# Altium PCB GSM_v2.PcbDoc (part 2 of 2) (continued)
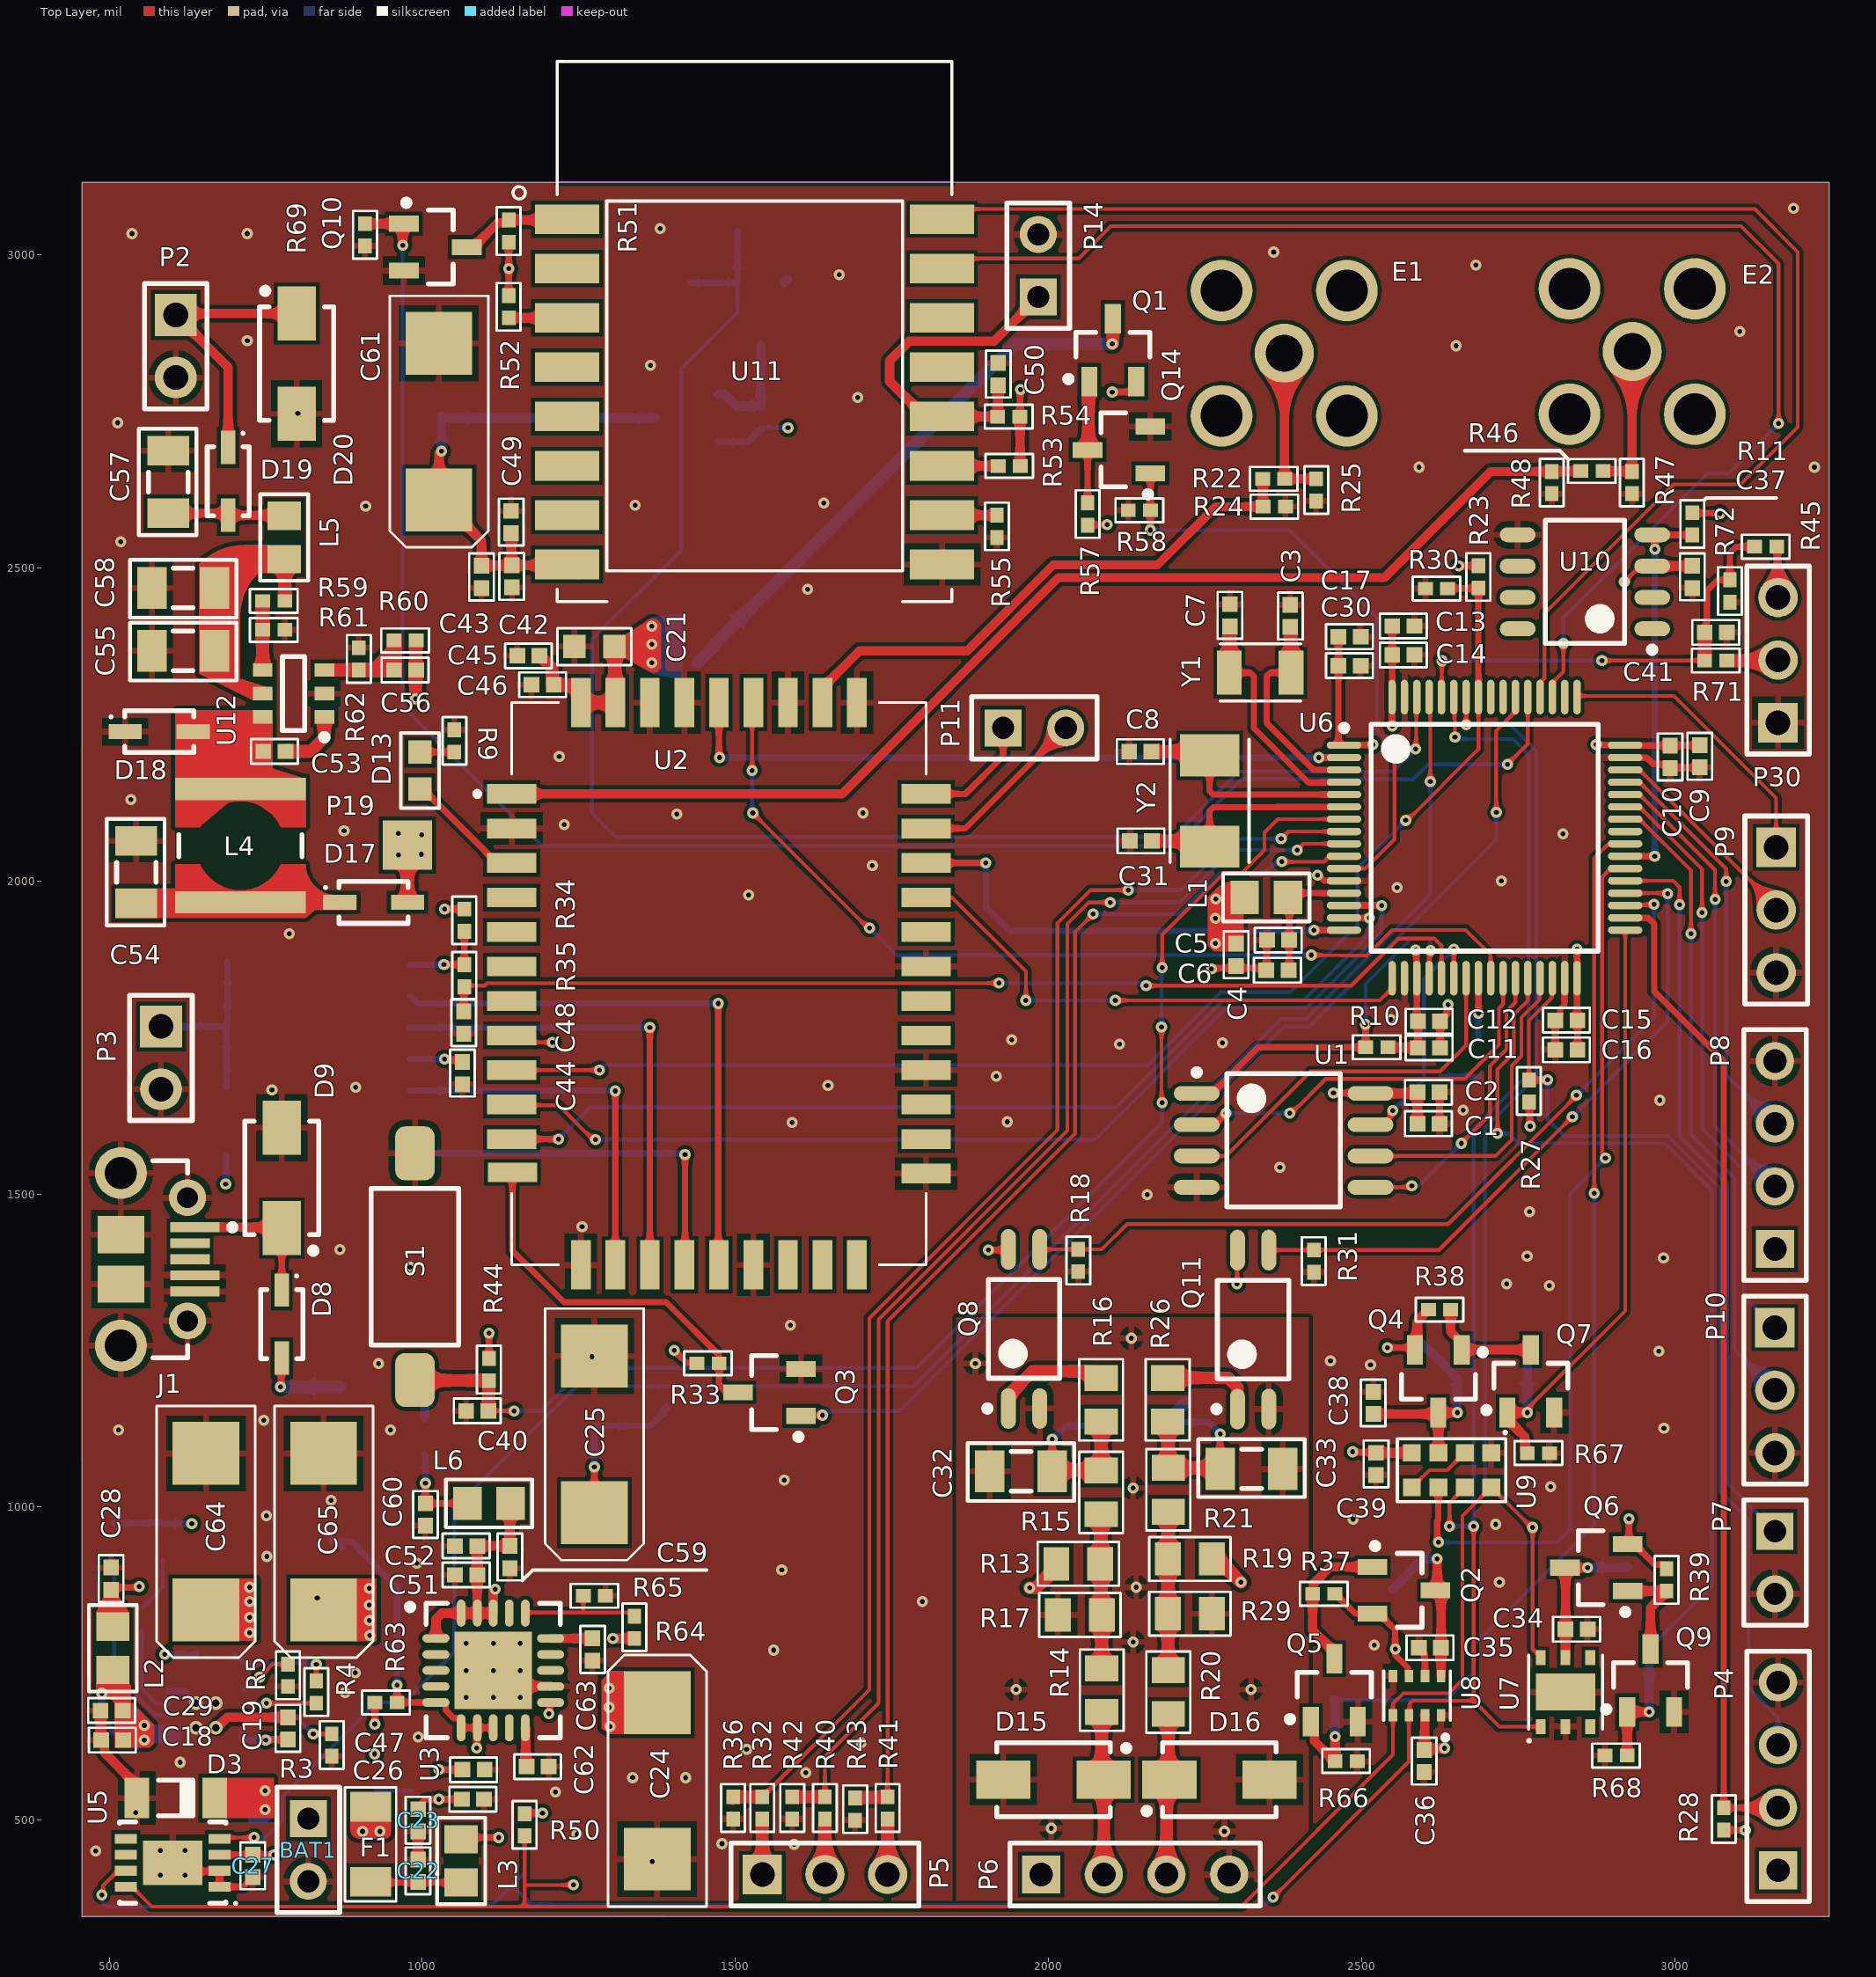
[diagram p0: Top Layer view]
## Nets (pads, with @x,y where several pads share a name; then routed paths per layer and width w, separated by ;. In a path a pad name is that pad's centre, name@x,y a point inside that pad or via, vN(x,y) a via of type N, cw(c..) or ccw(c..) an arc to the next point about the centre after c; other vN are vias at no path point) (continued)
  Bottom Layer w10: P1.1@980.31,1564.96 1417.32,1564.96 v1(1419.29,1562.99)
NetP1_7: P1.7 R34.1 R35.1 | length 139.8
  Top Layer w10: v1(1034.45,1866.14) R35.1@1066.93,1866.14 R34.1@1066.93,1919.29
  Bottom Layer w10: P1.7@980.31,1866.14 v1(1034.45,1866.14)
NetP5_1: P5.1 R32.2 | length 88.6
  Top Layer w20: P5.1@1542.72,413.39 R32.2@1542.72,501.97
NetP5_2: P5.2 R40.2 | length 88.6
  Top Layer w20: P5.2@1642.72,413.39 R40.2@1642.72,501.97
NetP5_3: P5.3 R41.2 | length 88.6
  Top Layer w20: P5.3@1742.72,413.39 R41.2@1742.72,501.97
NetP30_2: P30.2 R71.1 | length 81.1
  Top Layer w20: R71.1@3082.97,2351.45 P30.2@3164.08,2351.45
NetQ1_1: Q1.1 Q14.3 R57.1 | length 195.1
  Top Layer w10: R57.1@2062.01,2603.35 Q14.3@2062.01,2687.99
  Top Layer w20: Q14.3@2062.01,2687.99 2063.48,2689.47 2063.48,2795.77 Q1.1@2064.96,2797.24
NetQ2_1: Q2.1 Q5.3 R37.1 | length 241.5
  Top Layer w15: Q5.3@2456.57,758.37 Q5.3@2456.08,757.87 2456.08,768.7 2421.35,803.42 R37.1@2421.35,861.54 2422.34,861.54 2422.34,877.28 2449.58,904.53 Q2.1@2517.1,904.53
NetQ3_3: Q3.3 R33.1 U2.12 | length 604.6
  Top Layer w10: U2.12@1143.7,1534.45 1143.7,1409.45 1226.07,1327.08 1389.08,1327.08 1473.67,1242.49 R33.1@1473.67,1229.64 1473.67,1195.51 1486.11,1183.07 Q3.3@1501.97,1183.07
NetQ4_1: Q4.1 Q7.3 R38.1 | length 181.6
  Top Layer w15: R38.1@2641.73,1315.24 2641.73,1279.81 2659.45,1262.09 Q4.1@2659.45,1251.27 Q7.3@2769.69,1251.27
NetQ6_1: Q6.1 Q9.3 R39.1 | length 165.1
  Top Layer w15: Q6.1@2924.49,866.03 R39.1@2986.5,866.03 2986.5,865.05 2960.91,839.45 Q9.3@2960.91,773.51
NetQ8_1: Q8.1 R16.2 | length 168.5
  Top Layer w20: Q8.1@1935.63,1178.15 1974.41,1216.93 2072.99,1216.93 R16.2@2083.66,1206.26
NetQ11_1: Q11.1 R26.2 | length 137.8
  Top Layer w20: R26.2@2189.96,1206.26 2286.46,1206.26 2301.77,1190.95 Q11.1@2301.77,1171.26
NetQ12_1: Q12.1 Q13.3 R56.1 | length 172.1
  Bottom Layer w15: Q12.1@1472.44,2776.57 1483.27,2776.57 1501.97,2757.87 R56.1@1540.35,2757.87 Q13.3@1540.35,2854.33
NetR1_1: R1.1 U4.3 | length 183.2
  Bottom Layer w6: R1.1@507.87,802.17 507.87,734.25 574.8,667.32 U4.3@595.47,667.32
NetR2_1: R2.1 U4.4 | length 146.2
  Bottom Layer w6: R2.1@552.17,803.15 552.17,709.65 574.8,687.01 U4.4@595.47,687.01
NetR3_1: R3.1 U4.8 | length 154
  Top Layer w6: v1(825.79,637.8) R3.1@855.32,637.8
  Bottom Layer w6: U4.8@713.58,667.32 796.26,667.32 v1(825.79,637.8)
NetR4_1: R4.1 U4.7 | length 117.1
  Top Layer w6: v1(750.98,687.01) R4.1@830.71,687.01
  Bottom Layer w6: U4.7@713.58,687.01 v1(750.98,687.01)
NetR5_1: R5.1 U4.6 | length 102.2
  Top Layer w6: v1@738.41,728.35 v1(740.16,728.35) 760.83,749.02 R5.1@785.43,749.02 R5.1@793.26,756.84
  Bottom Layer w6: U4.6@713.58,706.69 735.24,728.35 v1(740.16,728.35)
NetR13_1: R13.1 R14.2 R15.1 R17.2 | length 247.5
  Top Layer w20: R15.1@2083.66,988.62 2082.95,987.91 2082.95,910.16 R13.1@2082.24,909.45 2083.44,908.25 2083.44,828.96 R17.2@2084.65,827.76 R14.2@2084.65,742.68
NetR19_1: R19.1 R20.2 R21.1 R29.2 | length 253.3
  Top Layer w20: R20.2@2190.94,739.72 2190.67,740 2190.67,829.45 R29.2@2190.39,829.72 R19.1@2190.39,917.32 2190.67,917.6 2190.67,992.28 R21.1@2190.94,992.56
NetR22_1: R22.1 R24.2 U2.35 | length 891.9
  Top Layer w14.26: U2.35@1638.78,2284.45 1638.78,2308.07 1697.83,2367.13 1869.97,2367.13 2007.36,2504.51 2173.8,2504.51 2266.73,2597.44 R24.2@2342.52,2597.44 2342.03,2597.93 2342.03,2641.24 R22.1@2341.54,2641.73
NetR46_1: R46.1 R48.2 U2.1 | length 1920.3
  Top Layer w14.26: U2.1@1142.72,2138.78 1670.28,2138.78 2015.75,2484.25 2536.42,2484.25 2705.71,2653.54 R48.2@2803.15,2653.54 2803.64,2654.04 2848.92,2654.04 R46.1@2849.41,2654.53
NetR52_1: R52.1 U11.3 | length 93.4
  Top Layer w15: R52.1@1137.85,2898.8 U11.3@1231.3,2898.8
NetR53_1: R53.1 U11.11 | length 89.7
  Top Layer w15: U11.11@1829.72,2662.58 1829.9,2662.4 R53.1@1919.35,2662.4
NetR55_2: R55.2 U11.10 | length 87.7
  Top Layer w15: U11.10@1829.72,2583.84 1829.9,2583.66 R55.2@1917.38,2583.66
NetR59_1: R59.1 R61.2 U12.4 | length 107.9
  Top Layer w20: U12.4@745.08,2339 R61.2@745.08,2400.59 R59.1@745.08,2446.85
NetR64_1: R64.1 R65.2 U3.16 | length 206.5
  Top Layer w6: U3.16@1164.37,830.71 1165.4,831.74 1254.92,831.74 ; R65.2@1256.89,858.27 1256.89,833.71 1254.92,831.74 ; R64.1@1338.58,820.87 1327.71,831.74 1254.92,831.74
NetU9_2: U9.2 U9.5 | length 107.5
  Top Layer w6: U9.5@2579.72,1031.5 2580.22,1031.5 2607.78,1059.06 2636.32,1059.06 2663.88,1086.61 U9.2@2664.37,1086.61
P_IN1: D15.2 P6.2 R14.1 | length 260.7
  Top Layer w20: R14.1@2084.65,672.68 2084.65,567.91 D15.2@2087.6,564.96 2087.99,564.57 P6.2@2087.99,413.39
P_IN2: D16.2 P6.3 R20.1 | length 257.6
  Top Layer w20: P6.3@2187.99,413.39 2187.99,563.7 2190.94,566.65 R20.1@2190.94,669.72
QSPI_CLK: U1.6 U6.29 | length 512.8
  Top Layer w6: U1.6@2513.78,1560.63 2713.19,1560.63 2739.17,1586.61 2739.17,1704.72 2754.73,1720.28 2754.73,1781.55 2783.34,1810.15 2783.34,1843.38 U6.29@2784.45,1844.49
QSPI_CS: R10.1 U1.1 U6.20 | length 596.5
  Top Layer w6: U6.20@2607.28,1844.49 2607.28,1886.78 v1(2609.38,1888.87)
  Top Layer w10: U1.1@2236.22,1660.63 2260.83,1660.63 2334.45,1734.25 R10.1@2505.91,1734.25 v1(2505.91,1770.67)
  Bottom Layer w6: v1(2505.91,1770.67) 2505.91,1835.29 2578.23,1907.62 2605.74,1907.62 2609.25,1904.11 2609.25,1889 v1(2609.38,1888.87)
QSPI_IO0: U1.5 U6.27 | length 473.4
  Top Layer w6: U1.5@2513.78,1510.63 2577.56,1510.63 v1(2579.72,1512.8) ; v1(2658.6,1580.84) 2704.54,1626.78 2704.54,1704.54 2730.73,1730.73 2730.73,1791.49 2745.08,1805.83 U6.27@2745.08,1844.49
  Bottom Layer w6: v1(2579.72,1512.8) 2590.55,1512.8 v1(2658.6,1580.84)
QSPI_IO1: U1.2 U6.26 | length 644.3
  Top Layer w6: v1(2384.84,1628.94) 2387.8,1628.94 2442.46,1683.61 2663.92,1683.61 2718.73,1738.42 2718.73,1796.46 2725.39,1803.12 U6.26@2725.39,1844.49
  Top Layer w10: U1.2@2236.22,1610.63 2264.51,1610.63 v1(2282.82,1628.94)
  Bottom Layer w6: v1(2282.82,1628.94) v1(2384.84,1628.94)
QSPI_IO2: U1.3 U6.23 | length 610.6
  Top Layer w6: U1.3@2236.22,1560.63 2283.07,1560.63 2418.05,1695.61 2624.87,1695.61 2666.34,1737.08 U6.23@2666.34,1844.49
QSPI_IO3: U1.7 U6.22 | length 393
  Top Layer w6: U1.7@2513.78,1610.63 2533.62,1610.63 2549.21,1626.23 v1(2549.21,1632.87) ; U6.22@2646.65,1844.49 v1(2646.65,1890.75)
  Bottom Layer w6: v1(2549.21,1632.87) 2599.05,1682.72 2599.05,1843.15 v1(2646.65,1890.75)
S_CLK: P1.5 U2.15 | length 761.8
  Top Layer w10: U2.15@1363.19,1386.81 v1(1363.19,1765.75)
  Bottom Layer w10: P1.5@980.32,1765.75 v1(1363.19,1765.75)
S_DATA: P1.6 U2.17 | length 914.7
  Top Layer w10: v1(1472.44,1804.13) 1472.44,1387.8 U2.17@1473.42,1386.81
  Bottom Layer w10: P1.6@980.32,1815.94 992.13,1804.13 v1(1472.44,1804.13)
S_RST: P1.3 U2.14 | length 605.7
  Top Layer w10: U2.14@1308.07,1386.81 v1(1308.07,1664.37)
  Bottom Layer w10: P1.3@980.31,1665.35 1307.09,1665.35 v1(1308.07,1664.37)
SHT20_EN: P28.1 Q9.1 R68.2 U6.28 | length 1627.2
  Top Layer w6: v1(2716.54,1596.46) 2716.54,1699.06 2742.73,1725.25 2742.73,1786.52 2764.76,1808.55 U6.28@2764.76,1844.49
  Top Layer w15: R68.2@2923.51,603.23 Q9.1@2923.51,673.12 v1(2958.77,673.12)
  Bottom Layer w6: v1(2716.54,1596.46) 2716.68,1596.32 2734.39,1596.32 2750,1580.71 2983.64,1580.71 3059.06,1505.29 3059.06,875 P28.1@2958.66,774.61
  Bottom Layer w15: P28.1@2958.66,774.61 2958.77,774.49 v1(2958.77,673.12)
SPI1_MISO: P8.2 U6.44 | length 738.2
  Top Layer w6: U6.44@2920.28,2137.8 2943.32,2137.8 3063.83,2017.28 v1(3063.83,1970.33)
  Bottom Layer w6: v1(3063.83,1970.33) 3063.83,1607.82 P8.2@3159.45,1512.2
SPI1_MOSI: P8.3 U6.45 | length 657.8
  Top Layer w6: U6.45@2920.28,2157.48 2943.32,2157.48 3081.69,2019.11 v1(3081.69,1999.02)
  Bottom Layer w6: v1(3081.69,1999.02) 3081.69,1689.96 P8.3@3159.45,1612.2
STM_BOOT: C41.2 R45.1 R71.2 R72.2 U6.60 | length 721.4
  Top Layer w6: U6.60@2626.97,2293.31 2627.46,2293.8 2627.46,2350.89 v1(2627.95,2351.38) ; v1(2883.24,2351.75) R71.2@3047.24,2351.75
  Top Layer w10: C41.2@3047.24,2396.73 3047.24,2408.46 3050.76,2411.98 3050.76,2463.15 3068.01,2480.39 R72.2@3087.6,2480.39 3087.6,2523.62 3097.44,2533.46 R45.1@3126.97,2533.46
  Top Layer w20: R71.2@3047.24,2351.75 C41.2@3047.24,2396.73
  Bottom Layer w6: v1(2627.95,2351.38) 2628.32,2351.75 v1(2883.24,2351.75)
STM_CD: C48.2 R35.2 U6.21 | length 1693.2
  Top Layer w6: R35.2@1066.93,1830.71 1066.93,1832.82 1067.07,1832.68 1099.48,1832.68 1103.41,1836.61 v1(1920.28,1836.61) ; v1(2155.51,1832.68) 2483.27,1832.68 2558.21,1907.62 2615.88,1907.62 2627.24,1896.27 2627.24,1844.76 U6.21@2626.97,1844.49
  Top Layer w10: C48.2@1065.94,1791.34 1066.44,1791.83 1066.44,1830.22 R35.2@1066.93,1830.71
  Bottom Layer w6: v1(1920.28,1836.61) 2151.57,1836.61 v1(2155.51,1832.68)
STM_GSM13: U2.38 U6.2 | length 1085.1
  Top Layer w10: U2.38@1473.43,2284.45 1473.43,2197.83 v1(1474.41,2196.85) ; v1(2431.1,2196.85) U6.2@2471.46,2196.85
  Bottom Layer w10: v1(1474.41,2196.85) v1(2431.1,2196.85)
STM_INPUT_1: Q8.3 R18.2 U6.35 | length 1362.8
  Top Layer w6: Q8.3@1985.63,1411.42 R18.2@2047.24,1411.42 2084.65,1411.42 2125.14,1451.91 2637.71,1451.91 2842.52,1656.72 v1(2842.52,1657.48) ; U6.35@2920.28,1960.63 2921.26,1961.61 2965.55,1961.61 v1(2966.54,1962.6)
  Bottom Layer w6: v1(2842.52,1657.48) 2966.54,1781.5 v1(2966.54,1962.6)
STM_INPUT_2: Q11.3 R31.2 U6.36 | length 1060.5
  Top Layer w6: Q11.3@2351.38,1410.43 R31.2@2423.23,1410.43 2623.03,1410.43 v1(2836.13,1623.53) ; U6.36@2920.28,1980.31 2959,1980.31 2959.14,1980.46 2987.31,1980.46 v1(2988.33,1979.43)
  Bottom Layer w6: v1(2836.13,1623.53) 2988.33,1775.74 v1(2988.33,1979.43)
STM_LED: D14.1 U6.24 | length 98.8
  Top Layer w10: v1(2686.02,1788.39) U6.24@2686.02,1844.49
  Bottom Layer w10: v1(2686.02,1788.39) 2686.02,1747.05 D14.1@2687.01,1746.06
STM_RST: C40.2 R44.1 S1.2 U6.7 | length 2117.7
  Top Layer w6: C40.2@1105.31,1153.54 v1(1146.65,1153.54) ; v1(2180.12,1766.73) 2180.12,1646.65 v1(2181.1,1645.67) ; v1(2181.1,1861.22) 2181.1,1913.67 2279.69,2012.26 2307.86,2012.26 2344.49,2048.89 2344.49,2077.06 2365.85,2098.43 U6.7@2471.46,2098.43
  Top Layer w20: S1.2@988.19,1202.95 988.78,1202.36 1105.71,1202.36 1105.81,1202.26 1105.81,1154.04 C40.2@1105.31,1153.54 ; S1.2@997.28,1183.27 S1.2@997.68,1183.66
  Bottom Layer w6: v1(1146.65,1153.54) 1189.79,1153.54 1258.51,1222.26 1789.19,1222.26 2181.1,1614.17 v1(2181.1,1645.67) ; v1(2180.12,1766.73) 2180.12,1860.24 v1(2181.1,1861.22)
SWCLK: P9.1 U6.49 | length 505
  Top Layer w6: U6.49@2843.5,2290.21 2848.57,2295.28 2998.16,2295.28 3161.42,2132.02 P9.1@3161.42,2053.35
  Top Layer w10: U6.49@2843.5,2290.21 U6.49@2844.34,2289.37 ; P9.1@3134.92,2026.85 P9.1@3161.42,2053.35
SWDIO: P9.2 U6.46 | length 348.1
  Top Layer w6: U6.46@2920.28,2177.17 2943.32,2177.17 3119.5,2000.98 3164.28,1956.21 P9.2@3161.42,1953.35
  Top Layer w10: P9.2@3161.42,1944.79 P9.2@3161.42,1953.35
TIM3_CH1_PWM: P7.1 U6.37 | length 1182.5
  Top Layer w6: U6.37@2920.28,2000 2997.05,2000 3007.04,1990.01 v1(3007.04,1961.71)
  Bottom Layer w6: v1(3007.04,1961.71) 3007.04,1592.37 3083.47,1515.94 3083.47,1245.62 3084.65,1244.45 3084.65,1036.34 P7.1@3159.45,961.54
UART4_RX: U6.52 U11.16 | length 2344.9
  Top Layer w6: U11.16@1846.05,3072.61 3127.19,3072.61 3195.87,3003.94 3195.87,2724.41 3104.33,2632.87 2997.66,2632.87 2791.34,2426.56 2791.34,2323.42 2784.45,2316.53 U6.52@2784.45,2293.31
  Top Layer w10: U11.16@1829.72,3056.28 U11.16@1846.05,3072.61
UART4_TX: U6.51 U11.15 | length 2249.9
  Top Layer w6: U11.15@1829.72,2977.54 1845.74,2993.56 2047.69,2993.56 2099.41,3045.28 3105.31,3045.28 3165.35,2985.24 v1(3165.35,2730.32) ; U6.51@2804.13,2293.31 2804.13,2316.36 2821.85,2334.07 v1(2821.85,2379.02)
  Bottom Layer w6: v1(2821.85,2379.02) 2821.85,2420.56 3051.88,2650.59 3085.63,2650.59 v1(3165.35,2730.32)
VBATT: BAT1.1 C19.2 C27.2 D1.2 D3.2 F1.1 U4.9 U4.10 U5.3 | length 299.3
  Top Layer w10: D3.2@668.31,535.43 D3.2@680.12,547.24 ; U5.3@676.18,444.88 C27.2@729.33,444.88 v1(762.8,444.88) ; v1(750,627.95) 750.98,628.94 C19.2@785.43,628.94 ; BAT1.1@817.91,502.56 BAT1.1@836.97,521.61
  Bottom Layer w10: D1.2@689.25,516.73 D1.2@679.41,526.57 D1.2@700.08,547.24 ; U4.9@713.58,647.64 U4.10@713.58,627.95 v1(750,627.95) ; BAT1.1@793.9,526.57 BAT1.1@817.91,502.56
  other v1: 904.53,482.28 932.09,482.28 749.02,516.73 749.02,547.24
VCC: C23.2 C26.2 C47.2 L3.2 P15.1 R63.2 U3.5 U3.6 U3.7 U3.8 U3.11 | length 773.5
  Top Layer w10: v1(959.65,715.55) R63.2@959.65,687.99 U3.5@1021.65,687.99 1035.39,687.99 1037.14,686.25 1037.14,675.65 1049.67,663.12 1060.26,663.12 1062.01,661.38 U3.6@1062.01,647.64 ; C23.2@1000.31,510.12 1000.31,528.86 1004.92,533.46 v1(1026.57,533.46) C26.2@1062.99,533.46 ; v1(1026.57,580.71) 1061.02,580.71 C47.2@1062.99,578.74 ; L3.2@1062.01,469.49 1058.07,469.49 1061.02,472.44 v1(1122.05,472.44) ; U3.6@1062.5,647.15 U3.6@1062.01,647.64 ; v1(1086.61,615.16) 1087.11,615.65 1087.11,647.15 U3.7@1087.6,647.64 ; U3.8@1113.19,647.64 U3.7@1087.6,647.64 ; v1(1201.77,670.28) 1203.25,671.75 1203.25,686.52 U3.11@1204.72,687.99 ; U3.6@1062.01,647.64 U3.7@1087.6,647.64
  Bottom Layer w10: P15.1@852.36,955.71 P15.1@863.19,944.88 ; P15.1@856.3,944.88 P15.1@863.19,944.88 ; P15.1@873.03,935.04 P15.1@863.19,944.88 ; v1(959.65,715.55) 959.65,872.05 886.81,944.88 P15.1@863.19,944.88
VCNL4040_EN: P27.1 Q7.1 R67.2 U6.33 | length 1036.4
  Top Layer w6: v1(2764.06,1150.87) 2766.3,1153.11 2766.3,1159.38 2920.28,1313.35 U6.33@2920.28,1921.26
  Top Layer w15: R67.2@2760.77,1082.86 R67.2@2764.09,1086.19 2763.11,1086.19 2759.78,1089.51 2759.78,1112.55 2732.28,1140.05 Q7.1@2732.28,1150.87 v1(2764.06,1150.87)
  Bottom Layer w15: v1(2764.06,1150.87) P27.1@2764.09,1237.2
VCNL4040_IRQ: U6.38 U9.6 | length 1417.5
  Top Layer w6: v1(2888.78,1557.09) 2888.78,1560.26 2883.72,1565.32 2883.72,2006.17 2897.23,2019.68 U6.38@2920.28,2019.68
  Top Layer w10: U9.6@2622.05,1031.5 2622.09,1031.45 2622.09,979.52 2620.09,977.52 2620.09,945.85 v1(2622.09,943.85)
  Bottom Layer w6: v1(2622.09,943.85) 2811.77,943.85 2832.68,964.76 2832.68,1500.98 v1(2888.78,1557.09)
WIFI_EN: P29.1 Q13.1 R70.2 U6.62 | length 2573.2
  Top Layer w6: v1(2585.63,2210.63) 2586.61,2211.61 2586.61,2292.32 U6.62@2587.6,2293.31
  Bottom Layer w6: Q13.1@1502.95,2954.72 1502.95,2907.48 1413.39,2817.91 1413.39,2527.56 1270.67,2384.84 1270.67,2108.27 1309.06,2069.88 2198.82,2069.88 2303.15,2174.21 2549.21,2174.21 v1(2585.63,2210.63)
  Bottom Layer w10: R70.2@1428.15,2954.72 Q13.1@1502.95,2954.72 1502.95,3036.42 P29.1@1503.94,3037.4
WIFI_RESET: Q10.1 R69.2 U6.53 | length 2866.6
  Top Layer w6: v1(2732.28,2186.02) 2764.76,2218.5 U6.53@2764.76,2293.31
  Top Layer w10: Q10.1@968.5,3043.31 972.44,3047.24 Q10.1@970.47,3049.21
  Top Layer w15: R69.2@908.46,3050.2 R69.2@908.46,3049.21 Q10.1@970.47,3049.21 ; v1(968.5,3014.76) Q10.1@968.5,3043.31
  Bottom Layer w6: v1(968.5,3014.76) 968.5,2278.54 1190.94,2056.1 2202.01,2056.1 2308.12,2162.21 2582.09,2162.21 2605.9,2186.02 v1(2732.28,2186.02)
WIFI_RST: Q10.3 R51.1 U11.1 | length 180.4
  Top Layer w15: Q10.3@1070.87,3011.81 1081.69,3011.81 1120.64,3050.76 1134.53,3050.76 1137.36,3053.59 1137.36,3055.56 R51.1@1137.85,3055.07 1230.09,3055.07 U11.1@1231.3,3056.28
Y1_N: C7.1 U6.4 Y1.1 | length 378.3
  Top Layer w10: Y1.1@2288.49,2332.37 2321.85,2332.37 2327.71,2326.51 2327.71,2243.88 2414.59,2156.99 2447.61,2156.99 2447.75,2157.13 U6.4@2471.43,2157.13
  Top Layer w20: Y1.1@2288.49,2332.37 2288.91,2332.79 2288.91,2405.82 C7.1@2289.32,2406.23
Y1_P: C3.1 U6.3 Y1.2 | length 344.3
  Top Layer w10: Y1.2@2386.92,2332.37 2353.56,2332.37 2347.71,2326.51 2347.71,2252.16 2422.88,2176.99 2439.33,2176.99 2439.47,2177.13 U6.3@2448.97,2177.13 ; U6.3@2449,2177.17 U6.3@2471.46,2177.17
  Top Layer w20: C3.1@2385.78,2405.25 2386.35,2404.68 2386.35,2332.94 Y1.2@2386.92,2332.37
Y2_N: C31.1 U6.6 Y2.1 | length 365.7
  Top Layer w10: Y2.1@2256.89,2054.72 2256.89,2111.7 2262.75,2117.56 2362.34,2117.56 2362.58,2117.8 2471.14,2117.8 U6.6@2471.46,2118.11
  Top Layer w20: C31.1@2164.88,2063.62 Y2.1@2256.42,2063.62
Y2_P: C8.1 U6.5 Y2.2 | length 422
  Top Layer w10: Y2.2@2256.61,2208.9 2270.39,2208.9 Y2.2@2298.86,2180.43 ; Y2.2@2256.89,2200.39 2256.89,2143.42 2262.75,2137.56 2354.06,2137.56 2354.29,2137.8 2471.14,2137.8 U6.5@2471.46,2138.11
  Top Layer w20: C8.1@2163.9,2206.34 2253.46,2206.34 Y2.2@2256.42,2209.29
pads on no net: E1. E2. J1.2 J1.3 U2.4 U2.5 U2.6 U2.7 U2.19 U2.20 U2.21 U2.23 U2.24 U2.26 U2.27 U2.29 U3.2 U3.3 U3.4 U3.9 U3.13 U3.14 U3.17 U5.5 U5.6 U6.41 U6.50 U6.55 U6.56 U7.3 U7.4 U10.1 U10.2 U10.6 U10.7 U10.8 U11.2 U11.4 U11.5 U11.6 U11.7 U11.13 U11.14
copper on no net:
  other v2: 581.69,412.4 621.06,412.4 581.69,451.77 621.06,451.77 1069.88,695.87 1113.19,695.87 1156.5,695.87 1069.88,739.17 1113.19,739.17 1156.5,739.17 1069.88,782.48 1113.19,782.48 1156.5,782.48

## Polygon pours and split planes (outlines as drawn)
GND on Layer 2 "Layer 2-No Net 2" (solid, pour order 46): 457.17,346.46 1851.38,346.46 1851.38,1318.9 456.17,1318.9
GND on Layer 2 "Layer 2-No Net" (solid, pour order 0): 455.83,1310.04 3246.06,1310.04 3246.06,3115.16 456.69,3115.16
GND on Layer 2 "Layer 2-No Net 1" (solid, pour order 48): 2423.23,348.43 3246.06,348.43 3246.06,1320.87 2422.22,1320.87
GND24 on Layer 2 "Layer 2-No Net 3" (solid, pour order 44): 2414.37,1302.96 1851.38,1302.96 1851.38,346.46 2414.37,346.46
+3.3V on Layer 1 "Layer 1-No Net" (solid, pour order 8): 1194.61,346.46 1194.61,691.93 950.79,691.93 950.79,1324.8 1845.47,1324.8 1845.47,346.46
+3.3V on Layer 1 "Layer 1-No Net 4" (solid, pour order 24): 950.79,1312.99 950.79,1875 1015.75,1982.28 1015.75,2339.57 1015.75,2968.5 456.69,2968.5 456.69,3112.53 3246.06,3115.16 3247.42,1312.99
+3.3V on Layer 1 "Layer 1-No Net 6" (solid, pour order 42): 3246.06,1314.96 2422.24,1314.96 2422.24,346.46 3246.06,346.46
+P_24V on Layer 1 "Layer 1-No Net 7" (solid, pour order 34): 2415.35,1303.15 1851.38,1303.15 1851.38,346.65 2415.35,346.65
GND on Layer 1 "Layer 1-No Net 3" (solid, pour order 28): 454.72,1882.87 456.69,2959.65 1012.8,2959.65 1012.8,2329.6 918.31,2330.71 912.4,2090.55 cw(c822.14,2090.54) 899.69,2044.36 847.66,1956.96 801.18,1922.24 747.72,1894.62 cw(c700.71,1982.85) 700.7,1882.87
DC/DC on Layer 1 "Layer 1-No Net 5" (solid, pour order 22): 943.85,1879.26 982.52,1946.1 ccw(c911.82,2016.81) 1011.81,2016.82 1011.81,2320.87 935.32,2320.87 923.48,2320.87 922.24,2158.46 cw(c672.87,2130.23) 672.87,1879.26
DC/DC on Layer 1 "Layer 1-No Net 2" (solid, pour order 18): 943.9,1879.33 943.9,1006.3 605.31,1006.3 605.31,849.8 464.57,849.8 464.57,1879.33
CHARGER on Layer 1 "CHARGER" (solid, pour order 14): 952.76,584.65 949.8,587.6 949.8,1009.84 604.33,1009.84 604.33,855.32 456.69,855.32 456.69,585.66
VBATT on Layer 1 "Layer 1-No Net 1" (solid, pour order 6): 653.54,427.17 954.72,427.17 954.72,553.15 726.06,660.3 653.54,610.27
VCC on Layer 1 "VCC" (solid, remove dead copper, pour order 10): 961.05,436.02 1095.47,436.02 1195.87,436.02 1195.87,594.33 1235.63,690.94 1185.04,690.94 1143.7,649.61 958.09,649.61
GND on Bottom Layer "Bottom Layer-No Net 1" (solid, remove dead copper, pour order 54): 2422.72,346.46 3246.06,346.46 3246.06,1312.99 2422.72,1312.99
GND on Bottom Layer "Bottom Layer-No Net 2" (solid, remove dead copper, pour order 52): 457.16,346.46 1845.47,346.46 1845.47,1314.96 457.17,1314.96
GND24 on Bottom Layer "Bottom Layer-No Net 3" (solid, remove dead copper, pour order 50): 1852.36,348.43 2415.35,348.43 2415.35,1303.15 1852.36,1303.15
GND on Bottom Layer "Bottom Layer-No Net" (solid, remove dead copper, pour order 12): 456.69,3115.16 3246.06,3115.16 3246.06,1310.04 456.69,1310.04
GND on Top Layer "Top Layer-No Net" (solid, remove dead copper, pour order 4): 455.71,1312.01 456.69,3115.16 3246.06,3114 3246.06,1312.01
GND on Top Layer "Top Layer-No Net 1" (solid, remove dead copper, pour order 38): 457.17,346.46 456.18,1318.9 3246.06,1318.9 3246.06,348.34
GND24 on Top Layer "Top Layer-No Net 2" (solid, remove dead copper, pour order 36): 1852.36,348.43 2415.35,348.43 2415.35,1303.15 1852.36,1303.15

## Other copper
Top Layer:
  rectangle net CHARGER: 706.69,786.42 735.24,885.83
  rectangle net CHARGER: 892.72,785.43 927.17,885.83
  pour cut-out: 746.95,2611.32 812.1,2611.32 812.1,2485.14 746.05,2485.14 746.05,2491.14
  pour cut-out: 1043.21,1038.48 1169.39,1038.48 1169.39,973.33 1043.21,973.33
  pour cut-out: 1095.47,1001.97
  pour cut-out: 2358.27,1968.5
  pour cut-out: 2279.24,2011.81
  pour cut-out: 473.33,830.71 505.41,830.71 538.48,830.71 538.48,717.64 473.33,717.64
  pour cut-out: 1033.46,494.09 1090.55,494.09 1090.55,375.98 1033.46,375.98
  pour cut-out: 1029.43,498.13
  pour cut-out: 813.98,2162.89 812.49,2164.37 605.32,2164.37 605.32,1941.93 813.98,1941.93
  region net VBATT: 884.84,500 884.84,485.24 ccw(c899.61,485.24) 899.61,470.47 939.96,470.47 ccw(c939.96,480.31) 949.8,480.31 949.8,500
  region net NetC20_2: 1323.82,2392.72 1363.19,2418.31 cw(c1367.62,2405.02) 1380.91,2409.45 1380.91,2339.57 cw(c1369.1,2345.47) 1363.19,2333.66 1323.82,2355.32
  region net NetC54_2: 813.98,1940.94 828.6,1953.74 894.69,1953.74 894.69,1976.38 893.7,1977.36 863.19,1977.36 cw(c863.19,2026.57) 813.98,2026.57
  region net 24V_INPUT: 753.94,2536.42 715.63,2536.42 ccw(c715.63,2436.42) 644.92,2507.13 643.7,2505.91 643.7,2418.31 696.78,2418.31 ccw(c696.78,2435.11) 708.66,2423.23 cw(c807.08,2420.85) 738.15,2491.14 753.94,2491.14
  region: 1331.69,2421.26
  region net +3.3V: 2311.38,1999.72 2292.75,1999.72 2281.85,1996.77 2270.78,1990.63 2254.29,1974.13 2254.29,1896.38 2263.15,1887.52 2311.38,1887.52
  region net +3.3V: 1321.84,637.8 1298.7,637.8 1286.42,646 1286.42,723.43 1301.18,738.19 1322.83,738.19
  region net NetC54_2: 813.98,2026.57
  region net NetC54_2: 622.4,1988.19 508.86,1988.19 511.81,1988.19 511.81,1940.94 813.98,1940.94 813.98,1969.64
  region: 575.79,1987.2
  region net NetC56_1: 908.46,2326.77 910.43,2324.8 967.52,2324.8 967.52,2393.7 966.54,2394.68 942.91,2394.68 942.91,2372.05 919.29,2348.43 908.46,2348.43
  region: 909.45,2325.79
  region net 24V_INPUT: 643.7,2330.71 729.33,2288.39 760.83,2288.39 760.83,2306.86 708.66,2323 708.66,2505.91 643.7,2505.91
  region net NetC53_2: 760.83,2272.64 608.27,2272.64 605.32,2269.68 605.32,2085.63 643.78,2085.63 692.54,2126.65 732.35,2126.65 758.29,2107.2 813.98,2162.89 760.83,2179.62
  region: 753.94,2536.42
  region: 471.46,851.38
  region net DC/DC: 479.33,831.69 487.2,848.43 491.14,857.28 514.76,857.28 524.61,844.49 531.5,830.71
  region net CHARGER: 537.4,687.01 571.85,652.56 571.85,623.03 564.96,616.14 508.86,616.14 508.86,687.01
  region net VBATT: 685.04,567.91 762.8,567.91 762.8,503.94 757.87,503.94 689.96,503.94 685.04,503.94
  region net CHARGER: 480.31,698.82 479.33,700.79 479.33,718.5 531.5,718.5 534.45,715.55 534.45,687.01 508.86,687.01 502.78,693.09 484.08,695.06 481.3,697.83
Layer 1:
  pour cut-out: 746.95,2611.32 812.1,2611.32 812.1,2485.14 746.05,2485.14 746.05,2491.14
  pour cut-out: 1043.21,1038.48 1169.39,1038.48 1169.39,973.33 1043.21,973.33
  pour cut-out: 479.45,830.71 505.41,830.71 531.5,830.71 531.5,718.5 530.63,717.64 479.45,717.64
  pour cut-out: 1033.46,494.09 1090.55,494.09 1090.55,375.98 1033.46,375.98
  pour cut-out: 813.98,2162.89 812.49,2164.37 605.32,2164.37 605.32,1941.93 813.98,1941.93
Layer 2:
  pour cut-out: 746.95,2611.32 812.1,2611.32 812.1,2485.14 746.05,2485.14 746.05,2491.14
  pour cut-out: 1043.21,1038.48 1169.39,1038.48 1169.39,973.33 1043.21,973.33
  pour cut-out: 479.45,830.71 505.41,830.71 531.5,830.71 531.5,718.5 530.63,717.64 479.45,717.64
  pour cut-out: 1033.46,494.09 1090.55,494.09 1090.55,375.98 1033.46,375.98
  pour cut-out: 813.98,2162.89 812.49,2164.37 605.32,2164.37 605.32,1941.93 813.98,1941.93
Bottom Layer:
  pour cut-out: 746.95,2611.32 812.1,2611.32 812.1,2485.14 746.05,2485.14 746.05,2491.14
  pour cut-out: 1043.21,1038.48 1169.39,1038.48 1169.39,973.33 1043.21,973.33
  pour cut-out: 479.45,830.71 505.41,830.71 531.5,830.71 531.5,718.5 530.63,717.64 479.45,717.64
  pour cut-out: 1033.46,494.09 1090.55,494.09 1090.55,375.98 1033.46,375.98
  pour cut-out: 813.98,2162.89 812.49,2164.37 605.32,2164.37 605.32,1941.93 813.98,1941.93
  region net NetC20_2: 1415.35,2427.17 1363.44,2420.33 ccw(c1378.96,2391.28) 1347.44,2400.84 1347.44,2352.36 ccw(c1386.82,2368.67) 1370.51,2329.29 1415.35,2320.87
  region net CHARGER: 614.17,623.03 572.83,623.03 539.37,611.22 539.37,686.02 572.83,652.56 614.17,652.56
  region net VBATT: 722.44,557.09 755.91,557.09 761.81,551.18 761.81,505.91 751.97,496.06 722.44,496.06

## Silkscreen, mask and mechanical layers (free items; w line width, h text height)
Top Overlay:
  lines w6: 1159.45,882.87 1176.18,899.61 1453.74,899.61 ; 2664.37,2686.87 2815.79,2686.87 2822.46,2680.2 2830.03,2672.62 ; 3046.56,2607.88 3049.9,2611.22 3161.42,2611.22